# Altium PCB C210_220601.PcbDoc (part 6 of 7)
Units mm, origin at the board's own origin, x right, y up, seen from the top; angles counter-clockwise.
Board outline 68 x 129.5 mm, 6 copper layers (L1, L2, L3, L4, L5, L6), stack 1.64 mm thick; 493 components, 295 nets, 1739 pads, 1829 vias.
Unrouted connection lines stored in the file: 306.
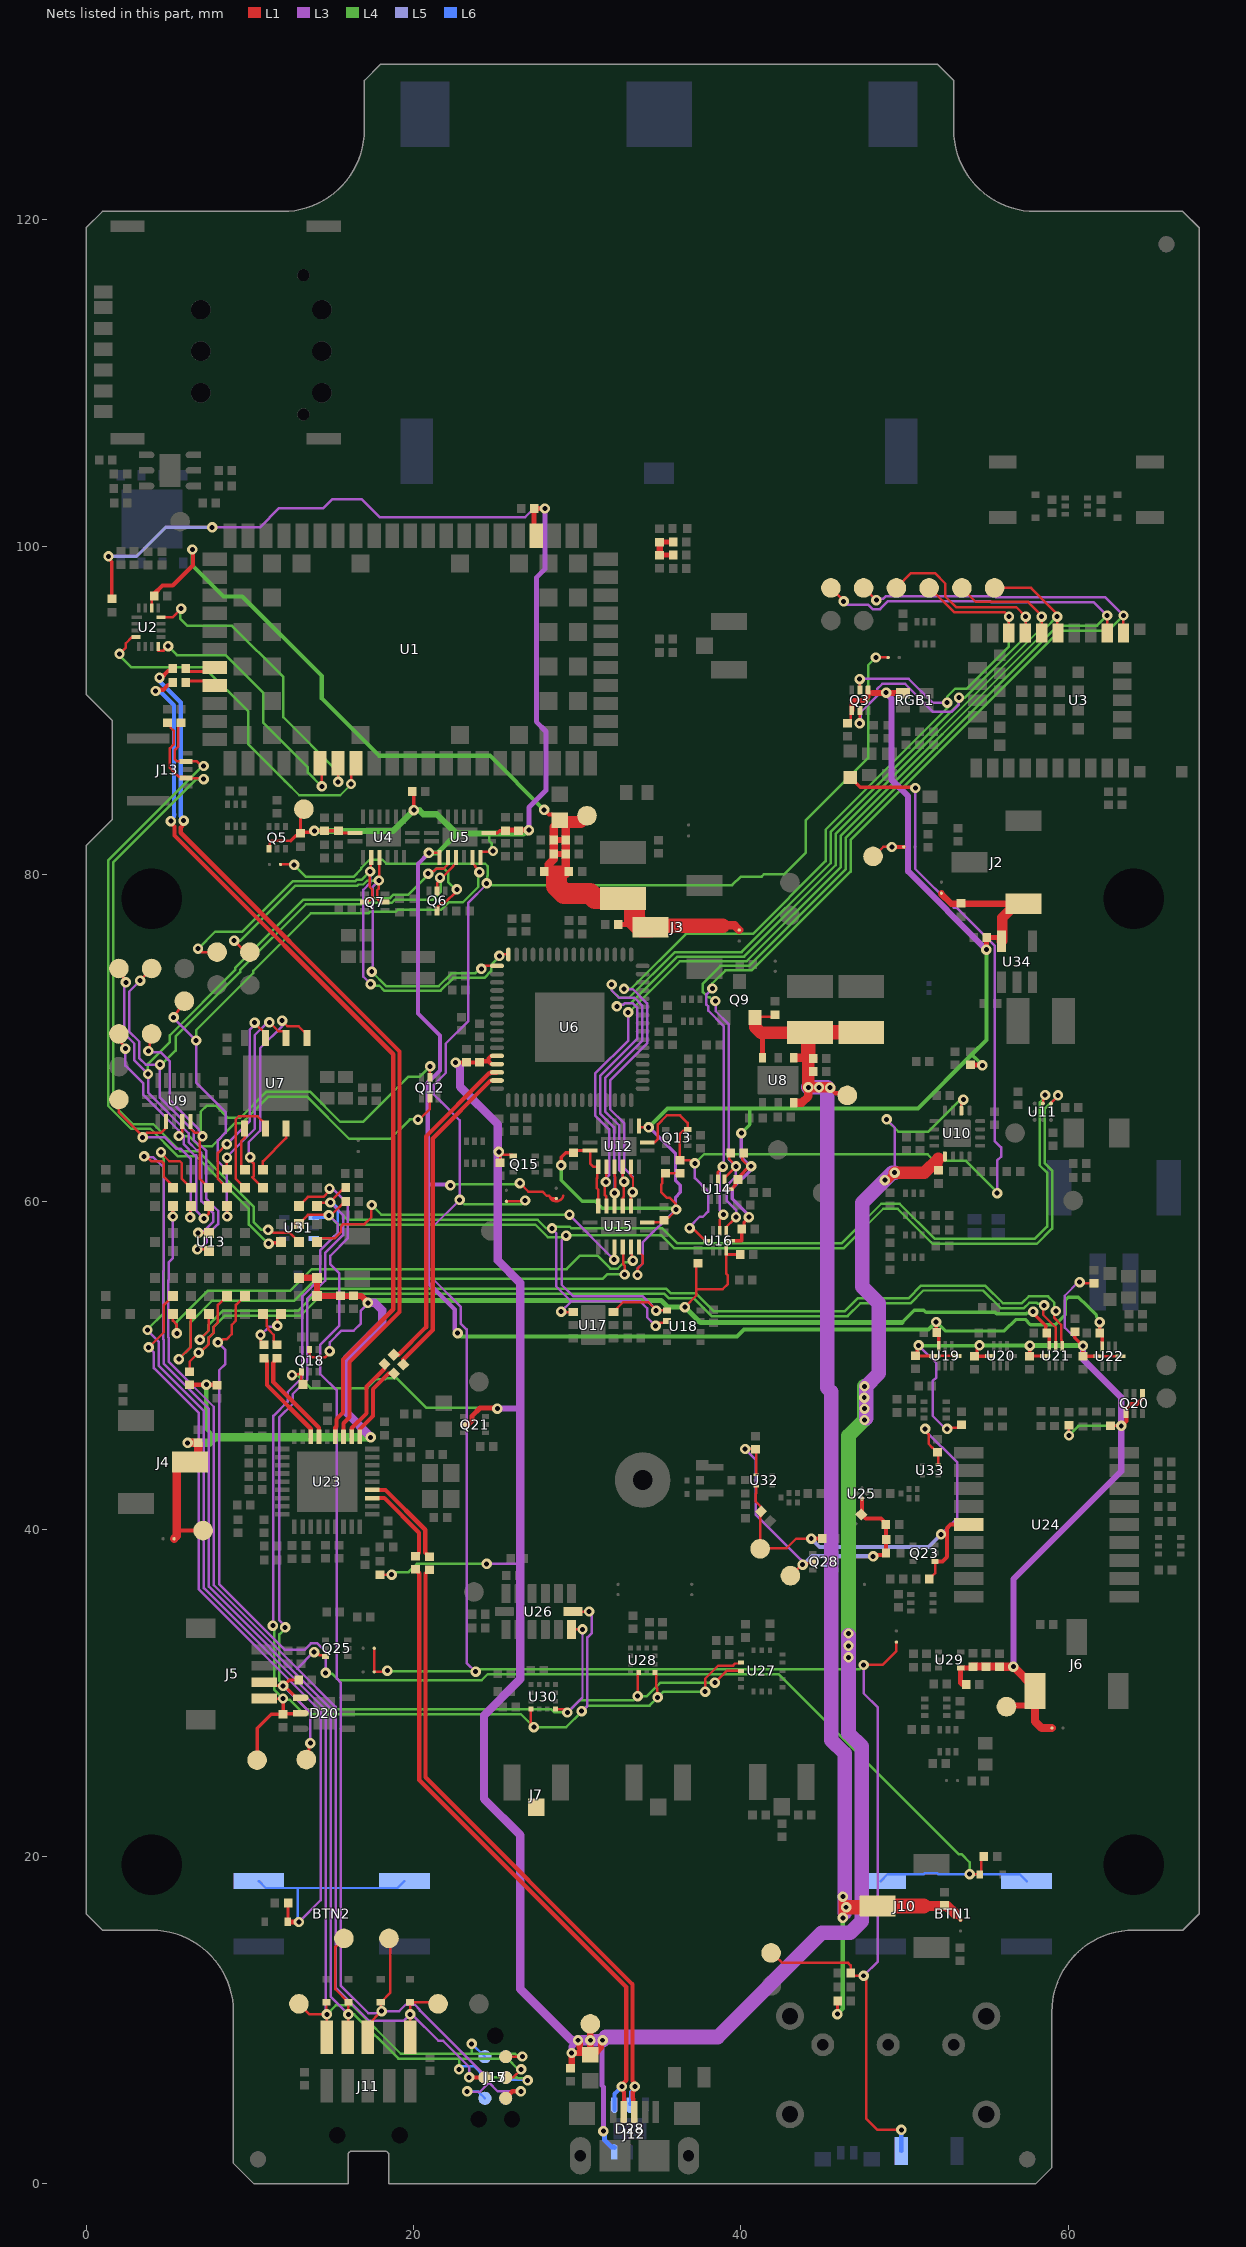
[diagram p10: the nets of this part, all layers, seen from the top]

## Via types
v1: diameter 0.635, hole 0.305, L1 to L6, tented both sides, 1829 vias

## Nets (pads, with @x,y where several pads share a name; then routed paths per layer and width w, separated by ;. In a path a pad name is that pad's centre, name@x,y a point inside that pad or via, vN(x,y) a via of type N, cw(c..) or ccw(c..) an arc to the next point about the centre after c; other vN are vias at no path point) (continued)
NetZ1_1: Z1.1 Z3.2 Z4.1 Z5.1 | length 2.5
  L1 w0.305: Z4.1@35.047,99.505 Z5.1@35.875,99.505 ; Z1.1@35.047,100.3 Z3.2@35.875,100.3
  L1 w0.391: Z4.1@35.047,99.505 Z1.1@35.047,100.3
NFC1: C134.2 J13.2 U13.C5 | length 42.3
  L1 w0.152: C134.2@5.803,89.275 5.629,89.101 5.629,87.809 5.425,87.605 5.425,87.025 5.55,86.9 J13.2@6.1,86.9 6.767,86.9 7.045,86.622 v1(7.176,86.622)
  L1 w0.203: v1(11.15,57.446) 11.202,57.498 11.702,57.498 11.754,57.446 11.754,57.404 U13.C5@11.9,57.55
  L4 w0.152: v1@7.149,86.649 1.345,80.845 1.345,65.865 2.753,64.458 3.921,64.458 5.592,62.787 6.717,62.787 9.945,59.559 9.945,58.608 11.107,57.446 v1(11.15,57.446)
NFC2: C133.1 J13.4 U13.B5 | length 43.2
  L1 w0.152: C133.1@4.975,89.275 4.99,89.275 5.173,89.091 5.173,88.955 5.35,88.779 5.35,87.925 5.121,87.696 5.121,86.505 5.652,85.974 6.026,85.974 J13.4@6.1,85.9 6.138,85.862 7.137,85.862 v1(7.176,85.823) ; v1(11.126,58.279) 11.256,58.279 11.435,58.1 12.45,58.1 U13.B5@13,57.55
  L4 w0.152: v1(7.176,85.823) 6.754,85.823 1.65,80.719 1.65,65.956 2.869,64.737 4.112,64.737 5.749,63.1 6.835,63.1 10.25,59.685 10.25,58.735 10.706,58.279 v1(11.126,58.279)
NINA_COM_CTRL: D4.1 Q13.3 R52.2 U12.9 U16.5 | length 64.9
  L1 w0.152: U12.9@34.286,63.631 34.731,63.631 34.928,63.828 34.928,64.729 35.474,65.275 36.292,65.275 36.75,64.817 Q13.3@36.75,64.423 36.676,64.349 36.478,64.349 36.268,64.139 R52.2@36.268,62.54 36.87,62.54 37.06,62.35 v1(37.19,62.35) ; v1(36.865,58.389) 36.958,58.296 37.139,58.296 37.81,57.625 U16.5@38,57.625
  L1 w0.203: D4.1@46.685,85.925 47.29,85.32 50.656,85.32 v1(50.656,85.278)
  L3 w0.152: v1(36.865,58.389) 36.865,58.466 37.482,59.083 37.683,59.083 38,59.4 38,60.629 37.19,61.439 v1(37.19,62.35) ; v1(50.656,85.278) 50.656,80.333 53.014,77.974 53.162,77.974 55.521,75.616 55.521,74.857 55.504,74.841 55.504,63.719 55.9,63.323 55.9,62.75 55.66,62.51 55.66,60.528 v1(55.657,60.526)
  L4 w0.152: v1(37.19,62.35) 37.209,62.35 37.759,62.9 51.407,62.9 51.811,62.496 53.754,62.496 55.657,60.593 v1(55.657,60.526)
NINA_CTS: TP6.1 U3.21 U12.4 U15.5 | length 60.5
  L1 w0.152: U15.5@32.286,59.742 32.287,59.743 v1@32.287,60.525 ; U12.4@32.286,62.131 32.286,61.533 32.318,61.501 32.318,60.557 v1(32.288,60.527) ; TP6.1@53.5,97.5 54.35,96.65 57.55,96.65 58.375,95.825 U3.21@58.375,94.739
  L3 w0.152: v1(32.288,60.527) 32.3,60.539 32.3,61.756 32.255,61.801 32.255,64.549 31.405,65.399 31.405,67.687 33.665,69.948 33.665,71.86 33.403,72.122 32.893,72.122 32.8,72.029 32.511,72.029 v1(32.419,71.937)
  L4 w0.152: v1(32.419,71.937) 32.511,72.029 32.8,72.029 32.893,72.122 33.27,72.122 36.119,74.971 40.201,74.971 45.786,80.555 45.786,82.474 58.32,95.008 58.32,95.69 v1(58.375,95.745)
NINA_DSR: R48.2 TP2.1 U3.17 U14.2 U16.2 | length 73.3
  L1 w0.152: U14.2@39,61.35 39,61.454 39.586,62.041 39.701,62.041 39.775,62.114 v1@39.714,62.176 ; U16.2@39.1,58.225 39.1,58.442 39.574,58.916 39.712,59.053 v1(39.704,59.059) v1(39.704,59.059) ; R48.2@39.37,62.99 39.295,62.915 39.295,62.595 v1@39.714,62.176 ; v1(39.701,62.163) v1@39.714,62.176 ; TP2.1@45.5,97.5 46.275,96.725 v1(46.275,96.675) ; U3.17@62.375,94.75 v1(62.375,95.815)
  L3 w0.152: v1(38.446,72.263) 38.468,72.241 38.468,71.64 39.25,70.858 39.25,62.614 v1(39.701,62.163) 39.701,61.556 39.15,61.005 39.15,60.045 39.706,59.489 v1(39.704,59.059) v1(39.704,59.059) ; v1(46.275,96.675) 46.475,96.475 47.778,96.475 48.049,96.204 48.501,96.204 48.968,96.671 55.243,96.671 55.293,96.621 61.568,96.621 v1(62.375,95.815)
  L4 w0.152: v1(38.446,72.263) 38.316,72.263 38.098,72.48 38.009,72.48 37.675,72.814 37.675,73.333 38.753,74.412 40.506,74.412 46.395,80.301 46.395,82.221 59.373,95.199 61.76,95.199 v1(62.375,95.815)
NINA_DTR: TP3.1 U3.16 U14.3 U16.3 | length 70.3
  L1 w0.152: U14.3@38.6,61.35 38.6,61.814 38.9,62.114 v1(38.9,62.145) ; U16.3@38.7,58.225 38.7,58.899 38.974,59.173 v1(38.932,59.214) ; TP3.1@47.5,97.5 48.25,96.75 v1(48.275,96.75) ; U3.16@63.375,94.75 v1(63.375,95.815)
  L3 w0.152: v1(38.252,73.026) 38.252,73 38.229,73 37.9,72.671 37.9,72.044 38.005,71.938 38.005,71.672 38.945,70.732 38.945,62.19 v1(38.9,62.145) ; v1@38.915,62.13 38.7,61.914 38.7,59.501 38.96,59.241 v1(38.932,59.214) ; v1(48.275,96.75) 48.367,96.842 48.709,96.842 48.842,96.976 55.528,96.976 55.578,96.926 62.264,96.926 v1(63.375,95.815)
  L4 w0.152: v1(38.252,73.026) 38.252,73.334 39.05,74.132 40.657,74.132 46.7,80.175 46.7,82.095 59.5,94.894 62.455,94.894 v1(63.375,95.815)
NINA_RTS: TP7.1 U3.20 U12.3 U15.6 | length 57.3
  L1 w0.152: v1(31.754,61.205) 31.77,61.222 31.77,62.114 U12.3@31.786,62.131 ; v1@31.772,61.205 31.693,61.127 31.693,60.404 31.786,60.31 U15.6@31.786,59.742 ; TP7.1@55.5,97.5 57.728,97.5 59.325,95.903 59.325,94.886 59.277,94.837 U3.20@59.378,94.736
  L3 w0.152: v1(31.754,61.205) 31.754,61.429 31.95,61.625 31.95,64.422 31.1,65.272 31.1,67.834 33.128,69.863 33.128,71.566 v1(33.119,71.575)
  L4 w0.152: v1(33.119,71.575) 33.155,71.575 36.27,74.691 40.353,74.691 46.09,80.429 46.09,82.347 58.625,94.882 58.625,95.045 v1(59.325,95.745)
NINA_RXD: Q3.2 TP5.1 U3.23 U12.6 U15.3 | length 66.2
  L1 w0.152: U15.3@33.286,59.742 33.286,60.58 33.297,60.59 v1(33.385,60.59) 33.38,60.596 33.41,60.626 33.41,61.455 33.286,61.579 U12.6@33.286,62.131 ; v1(47.254,91.925) 47.265,91.915 47.265,91.26 Q3.2@47.275,91.25 ; TP5.1@51.5,97.5 51.539,97.5 53.039,96 56.128,96 56.378,95.75 v1(56.378,95.745) U3.23@56.378,94.736
  L3 w0.152: v1(32.861,73.012) 32.892,72.98 33.407,72.98 34.275,72.112 34.275,69.68 32.014,67.419 32.014,65.651 32.864,64.801 32.864,62.053 33.41,61.507 33.41,60.615 v1(33.385,60.59) ; v1(47.254,91.925) 47.28,91.951 48.346,91.951 50.249,91.951 51.708,90.492 v1(52.601,90.492)
  L4 w0.152: v1(32.861,73.012) 33.298,73.012 36.647,76.361 40.729,76.361 45.176,80.807 45.176,82.726 52.599,90.149 52.599,90.491 v1(52.601,90.492) 52.601,90.851 53.096,91.346 53.551,91.346 53.572,91.325 53.775,91.325 56.378,93.928 v1(56.378,95.745)
NINA_TXD: Q3.5 TP4.1 U3.22 U12.5 U15.4 | length 75.4
  L1 w0.152: U15.4@32.786,59.742 32.786,60.252 32.834,60.299 32.834,60.399 32.839,60.404 32.839,61.203 v1(32.864,61.229) 32.754,61.339 32.786,61.372 U12.5@32.786,62.131 ; v1(47.254,89.228) 47.265,89.238 47.265,89.99 Q3.5@47.275,90 ; TP4.1@49.5,97.5 50.4,98.4 51.85,98.4 52.488,97.762 52.488,96.982 53.145,96.325 56.825,96.325 57.4,95.75 v1(57.4,95.745) ; U3.22@57.378,94.736 57.398,94.757 v1@57.398,95.75
  L3 w0.152: v1(32.111,73.275) 32.111,72.91 32.557,72.465 33.491,72.465 33.97,71.986 33.97,69.821 31.71,67.561 31.71,65.525 32.56,64.675 32.56,61.927 32.772,61.715 32.772,61.321 v1(32.864,61.229) ; v1(47.254,89.228) 47.325,89.298 47.325,89.904 48.329,90.908 48.329,91.326 48.649,91.646 50.029,91.646 51.75,89.925 52.875,89.925 53.325,90.375 v1(53.325,90.8)
  L4 w0.152: v1(32.111,73.275) 32.111,72.908 32.554,72.466 33.183,72.466 35.967,75.25 40.05,75.25 45.481,80.681 45.481,82.6 53.325,90.444 v1(53.325,90.8) 53.681,90.8 57.4,94.519 v1(57.4,95.745)
NORA_BTN_1: BTN1.1 BTN1.2 D22.1 R122.1 U13.E8 | length 85
  L1 w0.152: v1(8.046,51.414) 8.177,51.414 8.358,51.595 8.577,51.595 8.897,51.915 8.897,52.48 9.15,52.733 9.15,53.7 U13.E8@9.7,54.25 ; v1(53.975,18.924) 54.573,18.924 D22.1@54.6,18.896 54.675,18.971 54.675,19.825 R122.1@54.85,20
  L3 w0.152: v1(8.046,51.414) 8.506,50.954 8.506,50.089 8.125,49.708 8.125,36.652 12.15,32.627 13.336,32.627 13.73,33.021 14.13,33.021 14.637,32.514 v1(14.637,31.219)
  L4 w0.152: v1(14.637,31.219) 14.698,31.158 15.043,31.158 15.426,30.775 24.168,30.775 24.538,31.145 42.305,31.145 53.325,20.125 53.5,20.125 53.975,19.65 v1(53.975,18.924)
  L6 w0.152: BTN1.1@48.55,18.5 48.974,18.924 51.184,18.924 51.25,18.99 51.99,18.99 52.057,18.924 v1(53.975,18.924) 57.026,18.924 BTN1.2@57.45,18.5
NORA_BTN_2: BTN2.1 BTN2.2 D23.1 R123.1 U13.J8 | length 57
  L1 w0.152: v1(3.825,51.1) 4.75,52.025 4.75,53.7 U13.J8@5.3,54.25
  L1 w0.203: D23.1@12.314,16.018 12.338,16.043 R123.1@12.338,17.15
  L1 w0.305: D23.1@12.314,16.018 12.332,16 v1(13,16)
  L3 w0.152: v1(3.825,51.1) 4.143,50.782 4.143,49.842 6.888,47.097 6.888,36.312 14.333,28.867 14.333,17.333 v1(13,16)
  L6 w0.152: BTN2.1@10.55,18.5 10.974,18.076 12.916,18.076 ; v1(13,16) 12.916,16.084 12.916,18.076 ; BTN2.2@19.45,18.5 19.026,18.076 12.916,18.076
nQSPI_CS: U7.1 U13.E1 | length 2.7
  L1 w0.152: U7.1@9.68,64.475 9.68,63.905 9.476,63.701 9.476,62.174 U13.E1@9.7,61.95
nRESET: D27.1 J11.10 J15.3 J17.3 Q25.6 TP47.1 U13.J3 | length 75.5
  L1 w0.15: J11.10@19.79,8.96 v1(19.79,10.357)
  L1 w0.152: v1(13.93,32.485) 14.061,32.485 14.246,32.299 14.551,32.299 Q25.6@14.625,32.225 ; v1(19.79,10.357) D27.1@19.79,11.091 21.409,11.091 TP47.1@21.5,11
  L1 w0.203: v1(5.296,59.1) 5.298,59.102 5.298,59.748 U13.J3@5.3,59.75
  L1 w0.254: v1(23.397,6.511) 23.402,6.505 24.36,6.505 J15.3@24.365,6.5
  L3 w0.152: v1(5.296,59.1) 5.296,56.556 5.055,56.315 5.055,55.258 5.003,55.206 5.003,51.736 5.055,51.684 5.055,50.22 7.8,47.475 7.8,36.582 12.913,31.469 ; v1(13.93,32.485) 13.899,32.485 12.913,31.498 12.913,31.469 ; v1(23.397,6.511) 23.397,7.155 21.807,8.745 21.524,8.745 19.912,10.357 v1(19.79,10.357) 19.408,9.975 17.269,9.975 15.245,11.999 15.245,29.137 12.913,31.469
  L4 w0.152: v1(23.397,6.511) 26.302,6.511 26.356,6.456 26.806,6.456 26.824,6.474 v1(26.977,6.322)
  L6 w0.152: J17.3@25.635,6.5 25.809,6.326 25.849,6.366 26.948,6.366 26.977,6.337 v1(26.977,6.322)
OPEN_NET: J7.1
QSPI_0: U7.5 U13.D2 | length 13.8
  L1 w0.152: v1(10.022,62.719) 9.922,62.619 9.922,62.575 9.922,62.479 10.095,62.479 10.229,62.345 10.229,61.555 10.162,61.488 U13.D2@10.8,60.85 ; v1(11.978,71.069) 11.978,71.043 12.298,70.724 12.984,70.724 13.487,70.22 13.49,70.22 U7.5@13.49,70.005
  L3 w0.152: v1(10.022,62.719) 9.922,62.719 9.922,63.634 10.625,64.338 10.625,69.375 11.989,70.739 11.989,71.059 v1(11.978,71.069)
QSPI_1: U7.2 U13.E2 | length 6.8
  L1 w0.152: U13.E2@9.7,60.85 9.15,61.4 9.15,65.05 9.325,65.225 10.475,65.225 10.95,64.75 U7.2@10.95,64.475
QSPI_2: U7.3 U13.D1 | length 3.1
  L1 w0.152: U13.D1@10.8,61.95 10.8,62.465 12.22,63.885 U7.3@12.22,64.475
QSPI_3: U7.7 U13.F2 | length 12.5
  L1 w0.152: v1(8.596,63.519) 8.579,63.519 8.05,62.99 8.05,61.4 U13.F2@8.6,60.85 ; v1(10.295,70.944) 10.295,70.93 10.95,70.275 U7.7@10.95,70.005
  L3 w0.152: v1(8.596,63.519) 8.596,63.536 10,64.94 10,70.518 10.295,70.813 v1(10.295,70.944)
QSPI_CLK: U7.6 U13.F1 | length 11.7
  L1 w0.152: U13.F1@8.6,61.95 8.6,62.675 8.614,62.689 v1(8.604,62.7) ; v1(11.198,70.964) 11.743,70.419 12.076,70.419 12.22,70.275 U7.6@12.22,70.005
  L3 w0.152: v1(8.604,62.7) 8.604,62.748 10.305,64.448 10.305,70.181 11.073,70.95 11.087,70.964 v1(11.198,70.964)
RTS0: TP27.1 U9.11 U13.H3 | length 12.8
  L1 w0.152: TP27.1@2,66.25 2,65.458 3.45,64.008 v1(3.45,63.937) ; v1@3.45,63.954 3.707,64.211 4.579,64.211 4.875,64.508 U9.11@4.875,64.908 ; v1(6.351,59.051) 6.351,59.701 U13.H3@6.4,59.75
  L3 w0.152: v1(3.45,63.937) 3.467,63.954 4.793,63.954 5.499,63.248 5.761,63.248 6.4,62.609 6.4,59.1 v1(6.351,59.051)
RTS4: TP22.1 U5.14 U13.F3 | length 39.3
  L1 w0.152: v1(5.35,71.263) TP22.1@6,72.25 ; U13.F3@8.6,59.75 8.611,59.739 v1(8.611,59.1) ; U5.14@23.597,81.025 23.597,80.7 23.769,80.528 23.769,80.491 24.028,80.232 v1(24.028,80.13)
  L3 w0.152: v1@5.35,71.25 5.35,71.225 v1(6.725,69.85) 6.725,67.283 8.525,65.483 8.525,64.228 8.05,63.753 8.05,62.475 8.6,61.925 8.6,59.111 v1(8.611,59.1)
  L4 w0.15: v1(6.725,69.85) 6.725,70.487 10.207,73.969 10.207,74.099 13.727,77.618 17.247,77.618 17.337,77.709 18.915,77.709 19.053,77.847 21.702,77.847 22.146,78.291 23.009,78.291 23.955,79.237 23.955,80.058 v1(24.028,80.13)
RTS6: U13.A5 U15.12 | length 22.1
  L1 w0.152: U13.A5@14.1,57.55 14.325,57.775 15.202,57.775 15.571,58.145 15.571,58.495 15.705,58.629 17.009,58.629 17.419,59.039 17.419,59.769 v1(17.45,59.8) ; v1(32.254,56.458) 32.27,56.458 32.27,57.224 U15.12@32.287,57.241
  L3 w0.152: v1(29.529,59.207) 29.529,59.182 v1(32.254,56.458)
  L4 w0.152: v1(17.45,59.8) 18.045,59.205 29.527,59.205 v1(29.529,59.207) ; v1@32.123,56.458 v1(32.254,56.458)
RX0: Q12.5 TP24.1 U9.14 U13.G2 | length 32.4
  L1 w0.152: v1(3.802,69.21) 3.894,69.302 3.894,70.144 TP24.1@4,70.25 ; U9.14@6.375,64.908 6.375,64.485 6.631,64.229 6.83,64.229 7.064,63.996 v1(7.113,63.996) ; v1@7.1,63.959 6.95,63.808 6.95,61.4 U13.G2@7.5,60.85 ; Q12.5@21,67.591 21,68.258 v1(21.017,68.275)
  L3 w0.152: v1(3.802,69.21) 3.886,69.125 4.566,69.125 5.1,68.591 5.1,66.211 6.871,64.44 6.871,64.367 7.113,64.126 v1(7.113,63.996)
  L4 w0.152: v1(7.113,63.996) 7,64.108 7,65.5 7.375,65.875 7.93,65.875 8.68,65.125 9.419,65.125 11.019,66.725 13.675,66.725 15.525,64.875 16.919,64.875 19.669,67.625 20.367,67.625 v1(21.017,68.275)
RX1/SARA_PRI_TX: Q7.5 TP18.1 U4.3 U6.48 | length 33.9
  L1 w0.152: v1(6.835,75.459) 7.044,75.25 TP18.1@8,75.25 ; Q7.5@17,78.3 17.074,78.374 17.297,78.374 17.492,78.569 17.492,79.075 17.329,79.238 17.329,80.174 17.39,80.174 17.39,80.993 U4.3@17.422,81.025 ; v1(25.251,75.028) 25.331,75.108 U6.48@25.8,75.108
  L3 w0.152: v1(17.355,80.174) 17.355,79.477 16.929,79.052 16.929,73.75 v1(17.387,73.293)
  L4 w0.152: v1@6.835,75.446 7.889,76.5 9.549,76.5 12.62,79.571 16.438,79.571 16.529,79.661 16.816,79.661 17.329,80.174 v1(17.355,80.174) ; v1(17.387,73.293) 17.479,73.2 17.907,73.2 18.207,72.9 21.658,72.9 22.432,73.674 24.327,73.674 24.741,74.088 24.741,74.467 25.251,74.977 v1(25.251,75.028)
RX4: Q6.5 TP16.1 U5.12 U13.G5 | length 47.4
  L1 w0.152: v1(3.3,73.513) 4,74.213 TP16.1@4,74.25 ; v1(6.799,57.092) 7.408,57.092 U13.G5@7.5,57 ; Q6.5@21.442,78.999 21.442,79.49 21.617,79.665 v1(21.617,79.796) 21.731,79.796 22.425,80.491 22.425,80.528 22.6,80.703 U5.12@22.6,80.975
  L3 w0.152: v1@3.3,73.5 2.63,72.83 2.63,70.401 3.254,69.777 3.254,68.764 3.642,68.375 v1(4.512,68.375) 4.512,66.368 6.567,64.313 6.567,63.769 6.886,63.449 6.986,63.449 7.343,63.092 7.343,60.172 8.065,59.45 8.065,58.64 7.375,57.95 7.375,57.525 7.203,57.353 7.191,57.353 6.93,57.092 v1(6.799,57.092)
  L4 w0.152: v1(4.512,68.375) 4.6,68.375 5.465,69.24 5.465,70.087 9.41,74.032 9.41,74.163 13.424,78.176 17.016,78.176 17.106,78.266 18.684,78.266 18.873,78.455 21.18,78.455 21.675,78.95 21.675,79.738 v1(21.617,79.796)
RX5: R78.2 U13.F8 U21.7 | length 63.9
  L1 w0.152: R78.2@6.32,49.625 6.32,50.226 v1(6.879,50.785) 6.882,50.787 6.882,50.811 6.99,50.811 7.5,51.321 7.5,51.717 7.805,52.022 7.805,52.368 8.05,52.613 8.05,53.7 U13.F8@8.6,54.25 ; v1(58.534,53.674) 58.475,53.616 58.475,53.083 59.238,52.32 U21.7@59.238,51.179
  L4 w0.152: v1(6.879,50.785) 6.96,50.785 7.5,51.325 7.5,51.719 7.805,52.024 7.805,52.368 8.463,53.026 13.081,53.026 14.425,54.37 ; 14.425,54.371 35.329,54.371 35.6,54.1 37.128,54.1 38.208,53.02 46.518,53.02 47.294,53.796 50.36,53.796 51.141,54.578 54.797,54.578 55.875,53.5 57.297,53.5 57.628,53.831 58.08,53.831 58.144,53.766 58.441,53.766 v1(58.534,53.674)
RX6: U13.H9 U15.13 | length 35.1
  L1 w0.152: v1(5.661,50.386) 6.4,51.125 U13.H9@6.4,53.15 ; U15.13@32.786,57.242 32.8,57.228 32.8,56.206 32.903,56.103 32.903,55.562 v1(32.9,55.559)
  L4 w0.152: v1(5.661,50.386) 6.4,51.125 6.4,52.663 7.678,53.94 12.703,53.94 14.044,55.282 31.557,55.282 31.833,55.559 v1(32.9,55.559)
SARA_1V8: C8.2 C14.2 C15.1 C18.2 C19.2 C73.2 C74.2 NO3.2 Q5.4 R1.2 R18.1 R20.1 TP10.1 U1.4 U4.16 U5.1 U5.10 U5.15 U19.8 U22.8 | length 170.3
  L1 w0.152: Q5.4@11.221,81.623 11.221,82.05 12.502,82.05 ; v1(20.933,81.312) 21.518,81.312 21.597,81.234 U5.10@21.597,81.025 ; U5.15@24.097,81.025 24.097,81.335 24.147,81.384 24.813,81.384 v1@24.86,81.43 ; v1(26.497,61.137) 27.012,60.622 27.876,60.622 28.14,60.358 28.294,60.358 28.454,60.199 NO3.2@28.725,60.199
  L1 w0.203: v1(1.365,99.425) 1.365,99.308 1.575,99.098 R1.2@1.575,96.825 ; Q5.4@11.172,81.575 Q5.4@11.221,81.623 ; 12.502,82.05 12.852,82.4 12.997,82.4 R20.1@13.097,82.5 13.097,83.777 TP10.1@13.3,83.98 ; R20.1@13.11,82.487 13.2,82.578 13.869,82.578 v1(13.947,82.656) C18.2@14.576,82.656 C14.2@15.425,82.656 15.556,82.525 U4.16@16.422,82.525 ; R18.1@19.922,85.05 20.022,84.95 v1(20.022,83.925) ; U5.1@24.597,82.525 25.122,82.525 25.272,82.675 C15.1@25.622,82.675 ; v1(51.931,52.654) 51.937,52.648 51.937,52.011 52.088,51.859 U19.8@52.088,51.179 ; v1(61.924,52.643) 61.931,52.636 61.931,51.993 C73.2@61.938,51.986 62.083,51.841 U22.8@62.083,51.161
  L1 w0.305: C15.1@25.622,82.675 25.647,82.7 v1(27.045,82.7) ; U1.4@27.5,100.7 27.372,100.828 C8.2@27.372,102.35 v1(28.022,102.35)
  L3 w0.152: v1(7.699,101.2) 10.625,101.2 11.796,102.371 14.496,102.371 15.05,102.925 16.832,102.925 17.932,101.825 26.825,101.825 27.35,102.35 v1(28.022,102.35)
  L3 w0.254: v1(20.933,81.312) 20.933,81.305 20.272,80.645 20.272,71.503 21.614,70.161 21.614,68.017 20.869,67.273 20.869,61.046 ; v1(22.25,61.005) 22.209,61.046 20.869,61.046 ; v1(22.692,51.977) 22.692,52.003 22.519,52.176 22.519,53.408 20.869,55.058 20.869,61.046
  L3 w0.305: v1@27.097,82.752 v1(27.045,82.7) 27.045,84.082 28.097,85.135 28.097,88.728 27.5,89.325 27.5,98.128 28.022,98.65 v1(28.022,102.35)
  L4 w0.152: v1(22.25,61.005) 22.316,61.071 26.432,61.071 v1(26.497,61.137) ; 24.622,82.497 24.622,82.052 24.768,81.907 24.768,81.522 v1(24.86,81.43)
  L4 w0.203: v1(51.931,52.654) 52.48,52.105 56.105,52.105 56.809,52.809 57.366,52.809 57.693,52.482 59.205,52.482 59.811,53.088 59.811,53.994 59.992,54.175 60.608,54.175 61.15,53.633 61.728,53.055 61.728,52.956 61.924,52.76 v1(61.924,52.643)
  L4 w0.254: v1(22.692,51.977) 22.719,51.977 22.928,51.767 39.765,51.767 40.194,52.196 51.457,52.196 51.915,52.654 v1(51.931,52.654)
  L4 w0.305: v1(20.933,81.312) 21.481,81.312 22.601,82.432
  L4 w0.381: v1(13.947,82.656) 18.754,82.656 v1(20.022,83.925) 20.347,83.925 20.597,83.675 21.422,83.675 22.601,82.497 24.622,82.497 26.708,82.497 26.772,82.56 26.906,82.56 v1(27.045,82.7)
  L5 w0.203: v1(1.365,99.425) 3.089,99.425 4.864,101.2 v1(7.699,101.2)
SARA_VCC_IN: C13.1 C23.2 C24.1 C25.2 C26.2 C29.1 C30.1 C31.1 C34.1 FB1.1 J3.2 NC6.1 TP11.1 U2.14 | length 60.9
  L1 w0.152: U2.14@4.011,96.275 4.011,96.85 C13.1@4.161,97
  L1 w0.254: C13.1@4.161,97 4.161,97.146 4.664,97.649 5.291,97.649 6.525,98.883 6.525,99.814 6.493,99.846 v1(6.496,99.849) ; v1(27.979,83.942) 28.271,83.65 28.475,83.65 FB1.1@28.925,83.2
  L1 w0.305: C34.1@32.501,76.931 33.766,76.931 34.319,76.931 J3.2@34.475,76.775
  L1 w0.381: C30.1@28.575,81.25 C24.1@29.3,81.25 ; C23.2@28.575,82.1 C25.2@29.3,82.1 ; FB1.1@28.628,82.903 28.925,83.2 FB1.1@29.078,83.2
  L1 w0.508: 28.325,80.1 28.25,80.175 28.25,80.607 28.575,80.932 C30.1@28.575,81.25 C23.2@28.575,82.1 FB1.1@28.575,82.903 ; C31.1@29.3,80.175 C24.1@29.3,81.25 C25.2@29.3,82.1 FB1.1@29.3,82.925 ; 38.9,76.85 38.933,76.883 39.617,76.883 NC6.1@39.9,76.6
  L1 w0.762: 28.35,80.175 29.15,80.175 ; FB1.1@29.078,83.2 30.218,83.2 TP11.1@30.6,83.582 ; C31.1@29.247,80.122 C31.1@29.247,80.175 ; J3.2@34.475,76.775 J3.2@34.55,76.85
  L1 w0.889: J3.2@34.55,76.85 38.9,76.85
  L1 w1.27: 28.742,79.853 28.742,79.288 29.198,78.831 30.784,78.831 31.085,78.53 C26.2@32.797,78.53 32.763,78.564 C26.2@32.75,78.564 ; C26.2@33.5,78.3 33.5,77.196 33.766,76.931 33.921,76.775 J3.2@34.475,76.775
  L4 w0.254: v1(6.496,99.849) 6.491,99.849 6.491,98.869 8.39,96.97 9.541,96.97 9.586,96.925 9.6,96.925 14.4,92.125 14.4,90.75 17.9,87.25 24.671,87.25 v1(27.979,83.942) v1@28.017,83.905
SENSE_I2C_SCL: C139.2 D20.2 J5.4 R58.1 TP41.1 U11.A3 U13.B4 U17.6 U18.4 U26.14 U27.2 U28.1 U30.1 U31.4 | length 154.6
  L1 w0.15: v1(37.822,30.075) 37.822,30.867 38.621,31.666 39.528,31.666 39.652,31.79 39.96,31.79 U27.2@40.01,31.84
  L1 w0.152: J5.4@10.875,29.65 v1(12.025,29.65) ; U13.B4@13,58.65 13.55,59.2 14.8,59.2 v1(14.825,59.175) 14.97,59.175 R58.1@15.838,60.044 ; U30.1@27.175,29 27.175,28.075 v1(27.35,27.9) ; U26.14@29.748,34.967 v1(30.734,34.967) ; U17.6@32.215,53.263 32.811,53.859 34.368,53.859 34.853,53.375 v1@34.853,53.372 ; U28.1@34.75,31.25 34.822,31.179 34.822,30.348 34.898,30.272 34.898,29.749 v1(34.921,29.726) ; v1(34.826,53.345) v1@34.853,53.372 ; U18.4@35.481,53.363 35.399,53.282 35.306,53.375 34.855,53.375 v1@34.853,53.372 ; U11.A3@58.95,66 58.95,66.025 59.375,66.45 v1(59.375,66.5)
  L1 w0.203: TP41.1@10.445,25.887 10.445,27.845 11.3,28.7 C139.2@12.043,28.7 ; v1(12.025,29.65) 12.034,29.641 12.034,28.709 C139.2@12.043,28.7 ; D20.2@13.391,28.75 13.366,28.725 12.068,28.725 C139.2@12.043,28.7
  L3 w0.152: v1(11.408,34.105) 11.448,34.145 11.448,46.923 12.32,47.795 12.32,48.377 13.206,49.263 13.206,54.212 14.295,55.301 14.295,57.02 15.05,57.775 15.05,57.779 15.375,58.104 15.375,58.65 14.85,59.175 v1(14.825,59.175) ; v1(29.327,57.925) 29.055,57.654 29.055,54.926 29.764,54.217 34.01,54.217 34.853,53.375 34.853,53.372 v1(34.826,53.345) ; v1(30.275,28.875) 30.3,28.875 30.63,29.205 30.63,33.386 30.876,33.632 30.876,34.825 v1(30.734,34.967)
  L4 w0.152: v1(11.408,34.105) 11.481,34.032 11.481,30.194 v1(12.025,29.65) 12.088,29.587 12.43,29.587 13.317,28.7 26.55,28.7 v1(27.35,27.9) 29.334,27.9 30.275,28.841 v1(30.275,28.875) 30.625,29.225 34.421,29.225 v1(34.921,29.726) 35.271,30.075 v1(37.822,30.075) ; v1(14.825,59.175) 15.401,58.599 27.439,58.599 28.205,57.833 29.235,57.833 v1(29.327,57.925) ; v1@29.327,57.945 35.148,57.945 35.943,57.15 46.275,57.15 48.7,59.575 49.575,59.575 51.725,57.425 58.075,57.425 59.01,58.36 59.01,61.903 58.575,62.337 58.575,65.7 v1(59.375,66.5)
  L6 w0.203: U31.4@13.9,59.025 13.925,59.05 14.7,59.05 v1(14.825,59.175)
SENSE_I2C_SDA: C140.2 D20.1 J5.3 R53.1 TP40.1 U11.A2 U13.A3 U17.1 U18.3 U26.13 U27.3 U28.11 U30.4 U31.6 | length 154.8